# KiCad board Oro Link rev2.kicad_pcb (continued)
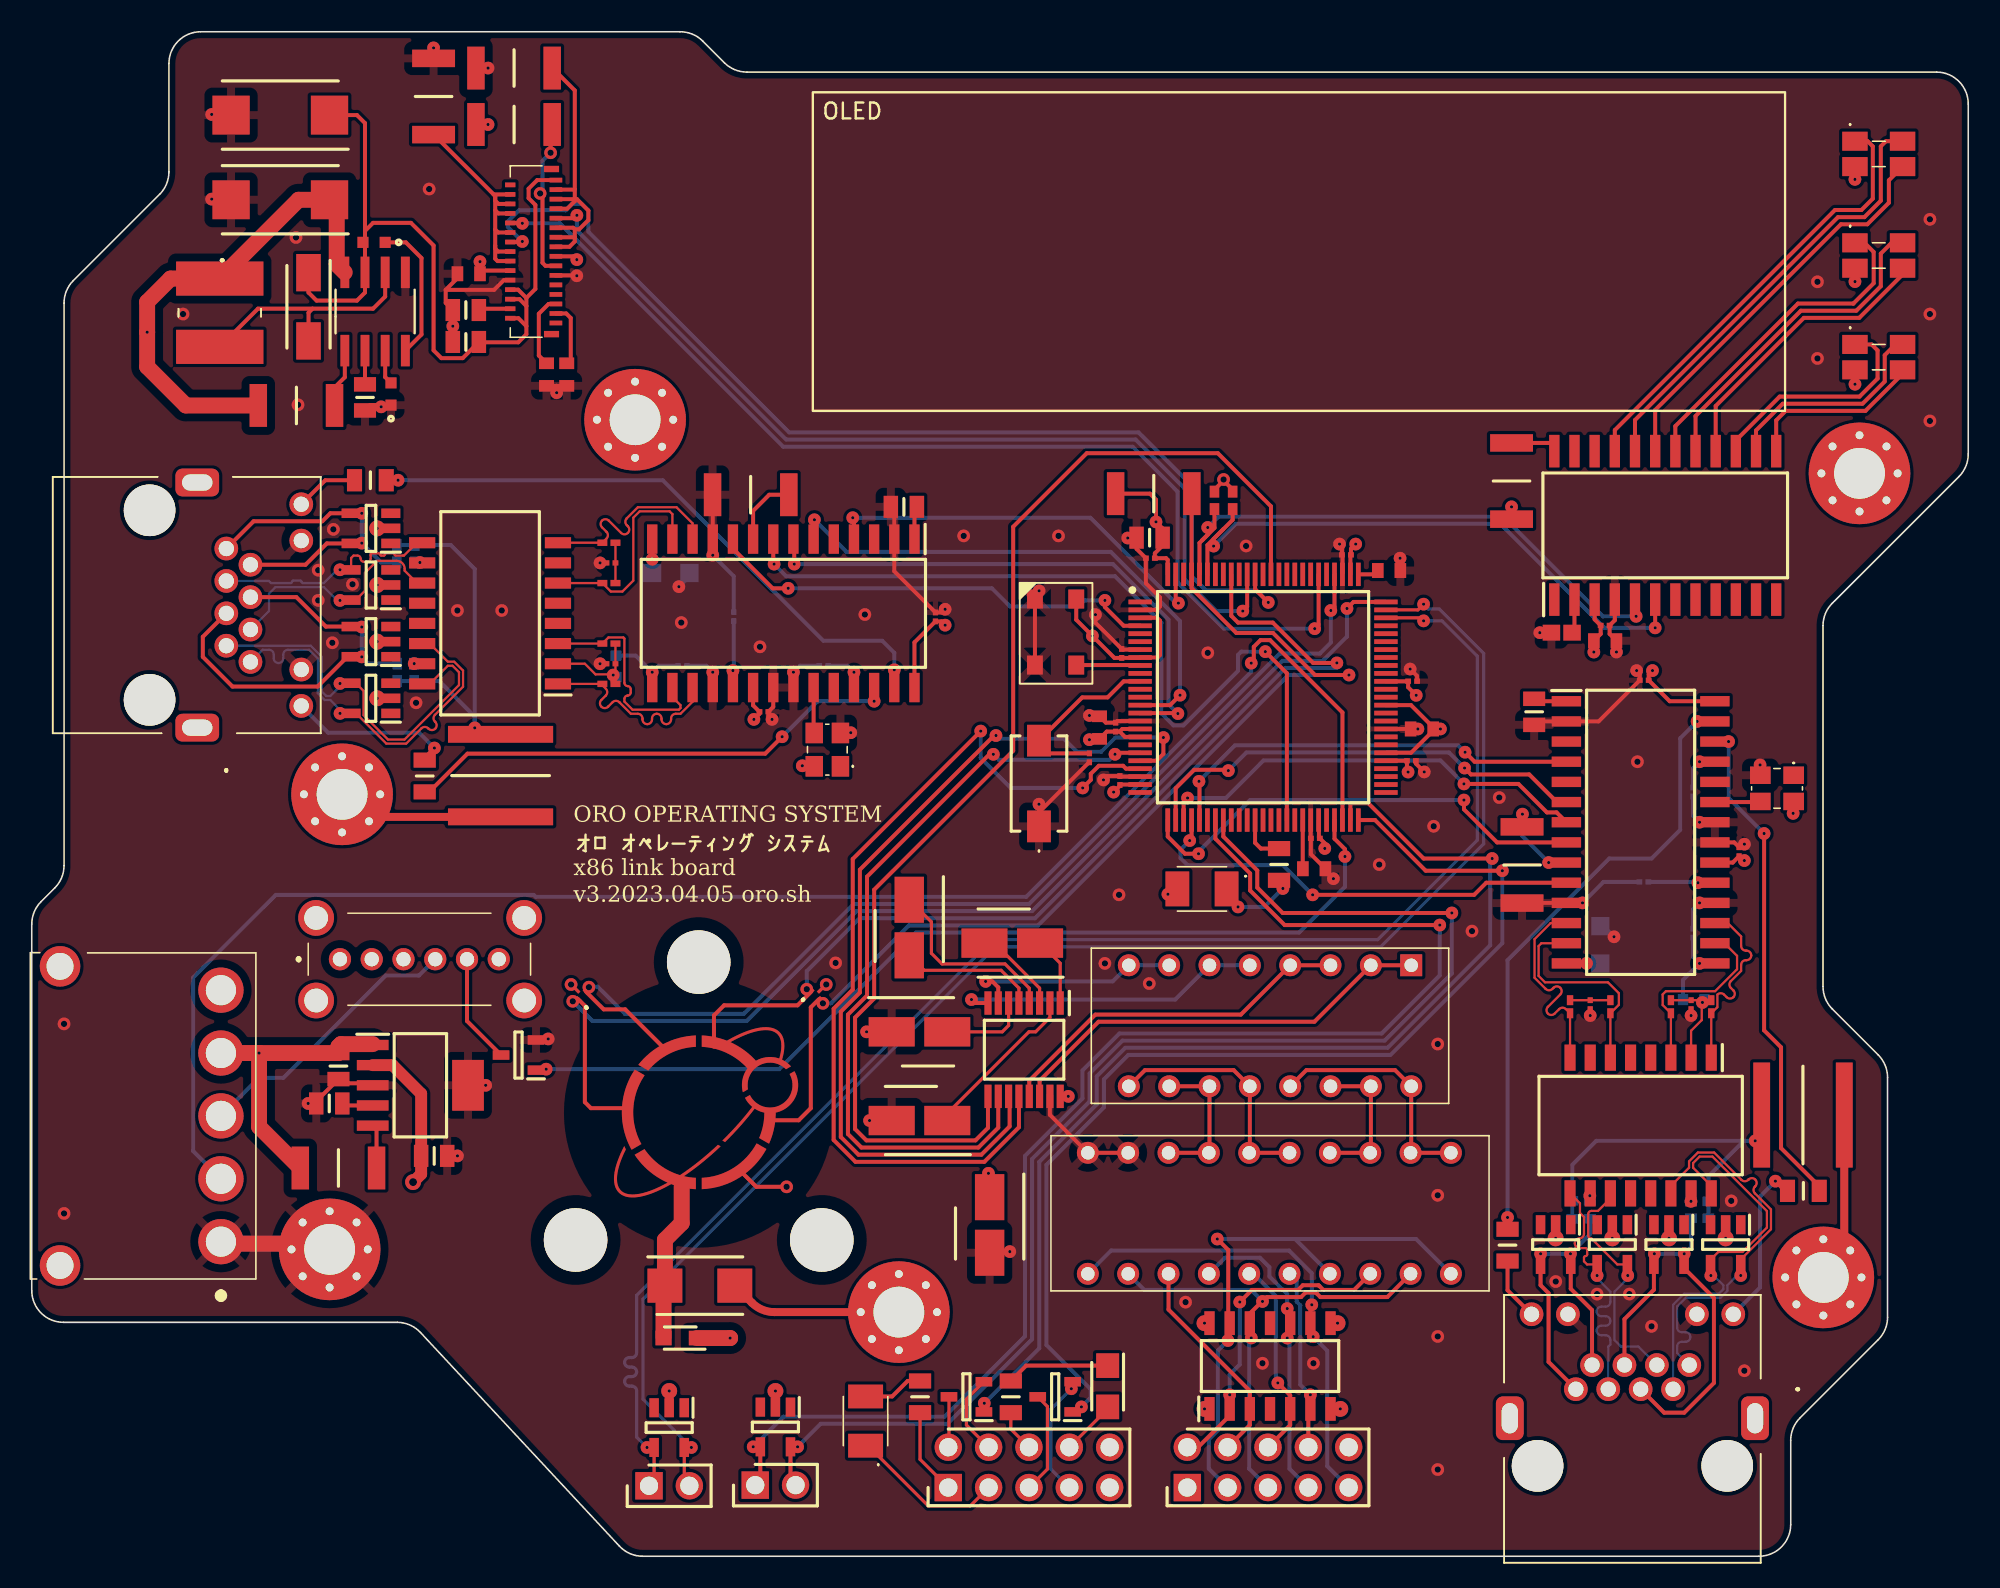
[diagram p0: board, top side]
## Routing (per net, layer and track width the routed paths; a pad name or vN(x,y) marks a point on that pad's centre or on a via; arc(x,y) is an arc through that point) (continued)
GNDPWR: length 275.6
  Top w0.5: D15.2 v4(40.13,10.41) ; D9.2 v4(21.75,64.74) ; C40.1 20.96,46.57 ; D12.2 45.34,15.96 arc(45.99,15.53) 46.76,15.38 H5.1 ; 46.76,10.41 46.82,10.35 D14.2 ; D7.2 v4(21.75,61.17) ; D5.2 v4(95.94,20.02) ; D16.8 v4(82.21,14.68) ; D16.14 v4(73.84,14.68) ; D2.2 v4(106.65,20.02) ; C31.1 114.12,19.23 ; D3.2 v4(99.51,20.02) ; D16.7 82.41,9.28 ; D4.2 v4(103.08,20.02) ; D8.2 v4(21.75,57.6)
  In1.Cu w0.5: v4(82.21,14.68) v4(73.84,14.68) 72.25,14.68 arc(71.49,14.53) 70.84,14.09 69.31,12.56 arc(68.66,12.13) 67.89,11.98 ; J4.MH1 J4.MH2 111.23,11.42 arc(111.66,12.07) 111.81,12.83 111.81,15.24 107.03,20.02 v4(106.65,20.02) v4(95.94,20.02) ; v2(33.95,36.01) 33.51,36.01 arc(33.13,36.08) 32.8,36.3 31,38.1 ; H5.1 57.4,12.56 arc(58.05,12.13) 58.82,11.98 67.89,11.98 ; H5.1 50.21,10.99 arc(49.56,10.56) 48.8,10.41 v4(46.82,10.41) v4(40.13,10.41) ; H5.1 54.59,19.26 arc(54.44,20.02) 54.01,20.67 51.89,22.78 arc(51.46,23.43) 51.31,24.2 51.31,35.56 51.15,35.72 arc(50.83,35.93) 50.44,36.01 v2(50.02,36.01) ; v4(21.75,64.74) 21.75,54.89 arc(21.52,53.74) 20.87,52.77 16.97,48.87 14.56,48.87 arc(13.8,49.02) 13.15,49.46 J5.MH2 J5.MH1 ; S2.MH1 17.9,46.35 ; S2.MH1 S2.MH3 ; S2.MH1 S2.MH2 31,38.1 ; S2.MH1 6.07,40.2 arc(4.92,39.97) 3.95,39.32 J1.MH2 3.44,35.49 arc(4.09,34.52) 4.32,33.37 4.32,22.09 arc(4.09,20.94) 3.44,19.97 J1.MH1 ; 31,38.1 S2.MH4 ; 67.89,11.98 arc(68.66,11.83) 69.31,11.39 70.84,9.86 arc(71.49,9.43) 72.25,9.28 v4(82.39,9.28)
  vias: v4(21.75,54.03) v4(73.84,9.28)
/COM Bus Header/C1+: length 4.3
  Top w0.2: IC6.1 64.75,37.35 C46.1
/COM Bus Header/C1-: length 5
  Top w0.2: IC6.3 63.45,35.78 60.61,38.62
/COM Bus Header/C2+: length 12
  Top w0.2: IC6.4 62.8,35.78 61.28,37.3 57.31,37.3 56.64,37.97 56.64,39.95 C47.1
/COM Bus Header/C2-: length 8.7
  Top w0.2: IC6.5 62.15,35.78 61.03,36.9 56.19,36.9 C47.2
/COM Bus Header/D_CTS: length 15.6
  Top w0.25: 76.69,25.45 S3.12 75.67,30.61 70.09,30.61 S3.9 ; S4.C3 79.61,25.41
/COM Bus Header/D_RTS: length 9.2
  Top w0.25: S3.10 S3.11 74.15,25.45 ; S4.D3 S4.D2
/COM Bus Header/D_RX: length 9.2
  Top w0.25: S4.B3 S4.B2 ; S3.14 S3.15 84.31,25.45
/COM Bus Header/D_TX: length 15.2
  Top w0.25: S3.13 80.25,30.61 85.83,30.61 S3.16 86.85,25.45 ; S4.A3 S4.A2
/COM Bus Header/P2: length 19
  Top w0.25: S4.B1 83.25,16.77 81.31,16.77 81.08,17.01 81.07,17.01 81.01,17.07 80.02,17.07 79.73,16.77 76.82,16.77 v1(76.06,16.01) ; 73.43,6.87 75.42,8.85 ; D16.2 v1(75.42,10.17)
  Bottom w0.25: v1(76.06,16.01) 76.06,12.07 75.42,11.44 v1(75.42,10.17)
/COM Bus Header/P3: length 35.6
  Top w0.25: v1(74.64,19.98) 75.33,19.29 75.33,14.77 ; D16.13 75.42,13.7 v1(75.31,13.59)
  Bottom w0.25: S4.B4 79.54,19.98 ; 79.54,19.98 v1(74.64,19.98) ; 79.54,19.98 87.16,19.98 S4.A1 ; v1(75.31,13.59) 74.68,12.95 74.68,7.93 74.11,7.36 74.11,5.51 J9.3
/COM Bus Header/P4: length 13.6
  Top w0.25: S4.D4 71.57,15.53 76.69,10.41 D16.3 76.69,8.26 J9.4
/COM Bus Header/P5: length 31.5
  Top w0.25: S4.A4 85.35,16.32 81.13,16.32 80.89,16.56 80.88,16.56 80.84,16.61 80.2,16.61 79.92,16.32 77.76,16.32 v1(77.49,16.05) 77.45,16.05 76.69,15.29 ; v1(76.78,13.75) 76.69,13.84 D16.12
  Bottom w0.25: v1(76.78,13.75) 76.65,13.61 76.65,5.51 J9.5 ; v1(77.49,16.05) 76.76,16.77 70.05,16.77 S4.E1
/COM Bus Header/P6: length 12.5
  Top w0.25: v1(78.45,10.92) 79.23,10.14 D16.5 79.23,8.26 J9.6
  Bottom w0.25: v1(78.45,10.92) 78.32,11.05 78.32,16.39 76.92,17.79
/COM Bus Header/P7: length 19.5
  Top w0.25: v1(79.04,15.6) 79.23,15.41 D16.10 79.23,13.93 v1(79.04,13.74)
  Bottom w0.25: v1(79.04,15.6) 79.04,16.5 77.92,17.62 77.92,18.21 77.33,18.8 75.13,18.8 S4.D1 ; J9.7 79.19,5.51 79.19,13.6 v1(79.04,13.74)
/COM Bus Header/P8: length 11.3
  Top w0.25: J9.8 80.37,9.15 ; D16.6 v1(80.5,10.17)
  Bottom w0.25: S4.C1 79.64,17.34 79.64,16.03 79.87,15.8 79.87,10.8 v1(80.5,10.17)
/COM Bus Header/P9: length 29.8
  Top w0.25: v1(80.59,15.84) 80.5,15.75 D16.9 80.5,14.01 v1(80.68,13.83)
  Bottom w0.25: J9.9 81.56,5.68 81.56,12.95 v1(80.68,13.83) ; S4.E4 67.96,19.25 79.16,19.25 80.59,17.83 v1(80.59,15.84)
/COM Bus Header/UART_CTS: length 76.9
  Top w0.25: IC6.9 60.2,26.98 59.42,26.19 52.55,26.19 51.84,26.9 51.84,33.93 53.04,35.13 53.04,41.98 61.79,50.73 61.79,64.84 66.42,69.47 74.68,69.47 78.02,66.12 IC1.87
/COM Bus Header/UART_RTS: length 49.7
  Top w0.25: v1(60.54,50.51) 60.29,50.51 52.59,42.8 52.59,35.31 51.39,34.11 51.39,26.59 52.24,25.74 59.6,25.74 60.85,26.99 IC6.10 ; v1(68.2,50.51) 68.29,50.6 IC1.20
  Bottom w0.25: v1(60.54,50.51) 60.88,50.17 67.86,50.17 v1(68.2,50.51)
/COM Bus Header/UART_RX: length 58.1
  Top w0.25: IC6.12 62.15,27.02 59.97,24.84 51.87,24.84 50.49,26.22 50.49,34.48 51.69,35.69 51.69,43.91 v1(59.75,51.97) ; IC1.22 68.89,49.6 68.71,49.78 67.18,49.78 66.67,49.28 66.67,48.9 v1(66.17,48.39)
  Bottom w0.25: v1(66.17,48.39) 61.63,48.39 59.75,50.28 v1(59.75,51.97)
/COM Bus Header/UART_TX: length 57.1
  Top w0.25: 61.57,28.9 61.57,27.07 59.79,25.29 52.05,25.29 50.94,26.41 50.94,34.3 52.14,35.5 52.14,43.24 60.59,51.69 v1(60.71,51.69) ; IC1.21 70.82,50.1 71.25,50.53 v1(71.25,51.56)
  Bottom w0.25: v1(60.71,51.69) 60.91,51.49 64.97,51.49 65.79,50.67 67.34,50.67 68.23,51.56 v1(71.25,51.56)
/COM Bus Header/V+: length 9.9
  Top w0.2: 57.64,27.89 62.78,33.03 63.2,33.03 64.1,33.93 IC6.2
/COM Bus Header/V-: length 5.4
  Top w0.2: C50.2 61.1,33.03 61.5,33.43 IC6.6
/External Ethernet/CT_45: length 26.8
  Top w0.25: D8.5 20.77,56.65 v1(20.78,56.64) ; J5.5 10.77,57.91 10.77,56.64 12.64,54.77 17.99,54.77 19.86,56.64 ; v1(20.78,58.52) 20.75,58.55 D8.4 18.51,58.55 16.66,60.4 J5.4
  Bottom w0.25: R32.1 21.2,56.22 v1(20.78,56.64) v1(20.78,58.52)
/External Ethernet/CT_78: length 21.6
  Top w0.25: v1(20.78,65.68) 20.77,65.69 D9.4 18.8,65.69 18.29,65.18 13.97,65.18 J5.7 ; J5.8 17.23,62.44 18.57,63.79 D9.5 20.76,63.79 v1(20.78,63.8)
  Bottom w0.25: R33.1 22,62.59 v1(20.78,63.8) v1(20.78,65.68)
/External Ethernet/GLED+: length 38.7
  Top w0.25: v1(54.31,55.83) IC5.27 ; R34.2 v1(23.06,67.77)
  Bottom w0.25: v1(23.06,67.77) 39.73,67.77 49.83,57.66 53.54,57.66 54.31,56.9 v1(54.31,55.83)
/External Ethernet/RX+: length 14.7
  Top w0.141: D7.5 19.43,60.22 v1(19.41,60.2) ; 20.39,60.22 20.98,60.8 20.98,61.93 21.74,62.69 22.98,62.69 arc(23.33,62.54) 23.48,62.19 23.48,62.07 24.26,61.29
  Bottom w0.141: v1(19.41,60.2) 19.23,60.2 18.39,61.04 15.34,61.04 14.94,60.63 14.94,59.53 J5.3
/External Ethernet/RX-: length 14.6
  Top w0.141: v1(19.41,62.13) 19.41,62.12 D7.4 20.11,62.87 20.26,63.02 20.51,63.02 arc(20.65,62.96) 20.71,62.83 arc(20.76,62.69) 20.9,62.63 21.14,62.63 arc(21.28,62.69) 21.34,62.83 21.34,63.09 arc(21.36,63.14) 21.41,63.16 21.87,63.16 arc(21.92,63.14) 21.94,63.09 arc(21.96,63.04) 22.01,63.02 22.16,63.02 arc(22.22,63.04) 22.24,63.1 arc(22.26,63.15) 22.31,63.17 22.76,63.17 arc(22.82,63.15) 22.84,63.1 arc(22.86,63.04) 22.91,63.02 23.43,63.02 24.24,63.83
  Bottom w0.141: J5.6 14.93,61.42 15.06,61.29 16.31,61.29 arc(16.36,61.31) 16.38,61.37 arc(16.41,61.42) 16.46,61.45 16.91,61.45 arc(16.96,61.42) 16.98,61.37 arc(17.01,61.31) 17.06,61.29 18.39,61.29 19.23,62.13 v1(19.41,62.13)
/External Ethernet/SCK: length 53.8
  Top w0.25: IC1.41 79.02,55.62 v1(77.66,56.97) ; v1(46.74,62.48) 46.69,62.53 IC5.8
  Bottom w0.25: v1(46.74,62.48) 47.5,61.72 68.2,61.72 71.12,58.8 71.12,53.09 71.88,52.32 72.51,52.32 75.95,55.76 75.95,56.77 76.15,56.97 v1(77.66,56.97)
/External Ethernet/SDI: length 35.1
  Top w0.25: v1(72.16,53.07) 72.13,53.1 IC1.15 ; v1(48.01,62.48) 48.01,64.01
  Bottom w0.25: v1(72.16,53.07) 71.57,53.66 71.57,58.99 68.07,62.48 v1(48.01,62.48)
/External Ethernet/SDO: length 34.3
  Top w0.25: v1(49.28,65.28) 49.28,64.11 ; IC1.14 71.67,53.6 72.29,54.23 v1(72.29,54.23)
  Bottom w0.25: v1(72.29,54.23) 72.29,58.9 67.94,63.26 51.3,63.26 v1(49.28,65.28)
/External Ethernet/TPIN+: length 13.5
  Top w0.141: IC5.13 40.34,65.63 40.16,65.81 38.28,65.81 37.87,65.41 37.87,61.44 37.19,60.76 36.46,60.76 R28.1 T2.6
/External Ethernet/TPIN-: length 13.4
  Top w0.141: T2.8 R29.1 36.19,64.09 arc(36.27,64.31) 36.19,64.52 35.9,64.8 arc(35.82,65.01) 35.9,65.22 arc(36.12,65.31) 36.33,65.22 37.11,64.45 arc(37.32,64.36) 37.53,64.45 arc(37.62,64.66) 37.53,64.87 37.46,64.94 arc(37.37,65.15) 37.46,65.37 38.16,66.07 40.59,66.07 41.61,65.05 IC5.12
/External Ethernet/TPOUT+: length 13.5
  Top w0.141: R26.1 T2.1 ; IC5.17 41.61,53.82 40.85,53.06 40.55,53.06 arc(40.34,52.97) 40.25,52.76 40.25,52.71 arc(40.16,52.49) 39.95,52.41 arc(39.74,52.49) 39.65,52.71 39.65,52.76 arc(39.56,52.97) 39.35,53.06 arc(39.14,52.97) 39.05,52.76 39.05,52.71 arc(38.96,52.49) 38.75,52.41 arc(38.54,52.49) 38.45,52.71 38.45,52.76 arc(38.36,52.97) 38.15,53.06 37.72,53.06 36.99,53.79 arc(36.78,53.87) 36.57,53.79 36.29,53.5 arc(36.07,53.42) 35.86,53.5 arc(35.77,53.72) 35.86,53.93 36.14,54.21 arc(36.23,54.42) 36.14,54.64 35.92,54.86
/External Ethernet/TPOUT-: length 13.5
  Top w0.141: T2.3 R27.1 36.31,57.86 37.24,57.86 37.31,57.8 37.31,55 arc(37.37,54.86) 37.51,54.8 arc(37.65,54.75) 37.71,54.6 37.71,54.4 arc(37.65,54.26) 37.51,54.2 arc(37.37,54.15) 37.31,54 37.31,53.83 37.82,53.32 40.74,53.32 40.84,53.42 40.84,53.6 40.34,54.11
/External Ethernet/TX+: length 24.5
  Top w0.141: 25.05,54.94 26.2,56.08 26.49,56.08 26.9,55.67 26.9,54.87 23.47,51.44 22.43,51.44 20.89,52.97 20.89,54.5 20.4,54.98 ; v1(19.41,54.97) 19.42,54.98 D6.4
  Bottom w0.141: v1(19.41,54.97) 19.41,54.79 18.8,54.18 18.54,54.18 18.26,54.46 18.26,56.64 17.56,57.34 J5.1
/External Ethernet/TX-: length 24.5
  Top w0.141: D6.5 v1(19.41,53.08) ; 20.42,53.08 22.32,51.18 23.57,51.18 24.53,52.14 arc(24.75,52.23) 24.96,52.14 24.98,52.12 arc(25.19,52.03) 25.4,52.12 arc(25.49,52.33) 25.4,52.54 25.38,52.57 arc(25.3,52.78) 25.38,52.99 27.15,54.76 27.15,55.78 26.6,56.34 26.2,56.34 25.05,57.48
  Bottom w0.141: v1(19.41,53.08) 19.41,53.31 18.8,53.92 18.44,53.92 18.01,54.35 18.01,56.54 17.46,57.09 16.14,57.09 arc(15.92,57) 15.84,56.79 15.84,56.55 arc(15.75,56.34) 15.54,56.25 arc(15.32,56.34) 15.24,56.55 15.24,56.79 arc(15.15,57) 14.94,57.09 14.53,57.09 J5.2
/External Ethernet/YLED+: length 30.4
  Top w0.25: 25.03,48.14 27.43,50.55 46.18,50.55 v1(47.24,51.61)
  Bottom w0.25: v1(53.04,53.85) 49.48,53.85 v1(47.24,51.61)
/External Ethernet/~{INT}: length 26
  Top w0.25: v1(51.69,65.41) 51.77,65.33 51.77,64.06 ; v1(72.19,60.03) 72.02,60.2 IC1.99
  Bottom w0.25: v1(51.69,65.41) 66.65,65.41 72.03,60.03 v1(72.19,60.03)
/External Ethernet/~{RST}: length 28.2
  Top w0.25: 44.15,63.46 46.65,60.96 v1(47.62,60.96) ; v1(67.56,60.2) 67.56,59.78 68.75,58.6 IC1.4
  Bottom w0.25: v1(47.62,60.96) 60.45,60.96 61.59,59.82 65.91,59.82 66.29,60.2 v1(67.56,60.2)
/Front Panel Client/HDD+: length 2.6
  Top w0.2: R7.1 61.64,8.01 J2.6
/Front Panel Client/HDD-: length 3.4
  Top w0.2: 67.74,9.28 J2.8
/Front Panel Client/PLED+: length 5.5
  Top w0.2: J2.1 55.93,6.1 R6.2
/Front Panel Client/PLED-: length 9.6
  Top w0.2: 52.65,6.96 56.45,3.16 59.08,3.16 J2.3
/Front Panel Client/PWR+: length 6.4
  Top w0.2: Q2.3 63.95,9.43 63.95,5.49 J2.5
/Front Panel Client/PWR-: length 7.6
  Top w0.2: 65.45,10.91 v1(65.45,10.55)
  Bottom w0.2: v1(65.45,10.55) 64.16,9.26 64.16,5.49 J2.7
/Front Panel Client/PWR_ON: length 67.6
  Top w0.25: v1(92.59,43.17) 87.76,43.17 84.57,46.36 IC1.50 ; 65.77,9.09 v1(66.09,9.41)
  Bottom w0.25: v1(66.09,9.41) 66.67,10 66.67,10.51 63.88,13.3 63.88,24.65 67.5,28.27 67.5,30.04 69.04,31.57 85.55,31.57 92.59,38.61 v1(92.59,43.17)
/Front Panel Client/RESET: length 69.2
  Top w0.25: v1(91.95,43.94) 87.63,43.94 84.15,47.43 83.05,47.43 83.02,47.4 IC1.49 ; v1(59.97,9.64) 59.95,9.61 Q3.1
  Bottom w0.25: v1(59.97,9.64) 63.43,13.09 63.43,24.84 67.05,28.46 67.05,30.22 68.85,32.02 85.36,32.02 91.82,38.48 91.82,43.82 v1(91.95,43.94)
/Front Panel Client/RST+: length 3.1
  Top w0.2: Q3.3 57.75,6.91
/Front Panel Client/RST-: length 5.2
  Top w0.2: Q3.2 58.85,9.89 58.85,8.26 J2.4
/Indicator Lights/O7: length 11.1
  Top w0.25: 117.79,74.47 115.45,72.14 110.43,72.14 109.83,71.54 IC7.13
/Indicator Lights/O8: length 13.3
  Top w0.25: 117.34,76.32 116.66,75.64 116.66,73.98 115.26,72.59 110.24,72.59 108.56,70.9 IC7.14
/Indicator Lights/O9: length 13.9
  Top w0.25: LED6.1 115.84,76.32 116.21,75.94 116.21,74.17 115.08,73.04 110.05,73.04 107.29,70.28
/Indicator Lights/O10: length 17.3
  Top w0.25: 106.02,70.3 106.02,72.44 111.57,77.99 115.06,77.99 117.79,80.72
/Indicator Lights/O11: length 20.3
  Top w0.25: 104.75,70.3 104.75,71.81 111.38,78.44 114.87,78.44 116.41,79.99 116.41,82.04 117.09,82.72 LED5.4
/Indicator Lights/O12: length 19.9
  Top w0.25: 115.39,82.72 115.97,82.14 115.97,80.17 114.69,78.89 114.69,78.89 111.2,78.89 103.48,71.17 103.48,70.3
/Indicator Lights/O13: length 25.3
  Top w0.25: LED4.3 116.92,86.66 116.92,85.24 115.57,83.89 113.9,83.89 102.21,72.19 IC7.19
/Indicator Lights/O14: length 28.1
  Top w0.25: IC7.20 100.94,71.56 113.72,84.34 115.38,84.34 116.41,85.37 116.41,88.8 116.74,89.12 LED4.4
/Indicator Lights/O15: length 28.2
  Top w0.25: IC7.21 99.67,70.92 113.53,84.79 115.2,84.79 115.91,85.5 115.91,88.79 115.59,89.12 LED4.1
/Indicator Lights/SCL: length 39
  Top w0.25: v1(74.41,63.62) 74.41,64.07 75.02,64.68 ; R1.2 75.61,65.27 75.02,64.68 ; 75.02,64.68 74.02,63.68 IC1.95 ; IC7.6 v1(102.21,58.47)
  Bottom w0.25: v1(102.21,58.47) 99.01,58.47 92.46,65.02 75.81,65.02 v1(74.41,63.62)
/Indicator Lights/SDA: length 36.4
  Top w0.25: IC1.96 73.52,63.82 73.68,63.98 ; v1(101.01,59.2) 100.94,59.27 IC7.5 ; v1(74.04,64.79) 74.04,64.34 73.68,63.98 ; 73.68,63.98 74.46,64.76 R2.2
  Bottom w0.25: v1(101.01,59.2) 98.92,59.2 92.64,65.47 74.72,65.47 v1(74.04,64.79)
/Microcontroller/DBGUART_RX: length 87.1
  Top w0.25: 45.87,4.8 D14.4 v1(45.42,6.89) ; IC1.32 74.52,45.19 76.71,43 76.71,41.93 78.89,39.75 v1(88.65,39.75)
  Bottom w0.25: v1(45.42,6.89) 47.32,8.79 57.47,8.79 62.53,13.86 62.53,25.21 66.15,28.83 66.15,30.6 68.48,32.92 84.99,32.92 88.65,36.58 v1(88.65,39.75)
/Microcontroller/DBGUART_TX: length 85.6
  Top w0.25: v1(48.22,6.89) D14.5 47.77,4.8 ; v1(89.41,40.51) 78.76,40.51 77.16,42.11 77.16,43.19 75.02,45.33 IC1.33
  Bottom w0.25: v1(48.22,6.89) 49.67,8.34 57.66,8.34 62.98,13.67 62.98,25.02 66.6,28.65 66.6,30.41 68.67,32.47 85.18,32.47 89.41,36.7 v1(89.41,40.51)
/Microcontroller/SYSETH_MISO: length 28.3
  Top w0.25: 96.02,47.5 94.28,49.24 90.61,49.24 v1(90.21,49.64) ; v1(75.34,49.48) 75.29,49.53 73.19,49.53 72.02,48.36 IC1.27
  Bottom w0.25: v1(90.21,49.64) 89.23,50.62 76.48,50.62 v1(75.34,49.48)
/Microcontroller/SYSETH_SCK: length 29.5
  Top w0.25: IC1.26 71.52,45.33 72.6,44.24 v1(73.46,44.24) ; v1(90.17,47.63) 90.17,47.04 92.26,44.96 IC4.8
  Bottom w0.25: v1(73.46,44.24) 73.46,44.38 76.71,47.63 v1(90.17,47.63)
/Microcontroller/SYSTEH_MOSI: length 27.9
  Top w0.25: v1(90.17,48.64) 93.6,48.64 95.39,46.85 96,46.85 IC4.7 ; v1(72.77,47.75) 72.52,47.5 IC1.28
  Bottom w0.25: v1(72.77,47.75) 75.18,47.75 77.55,50.12 88.69,50.12 v1(90.17,48.64)
/Microcontroller/SYSTEH_~{INT}: length 27
  Top w0.25: IC1.30 73.52,48.77 v1(73.49,48.8) ; v1(90.24,50.64) 90.84,50.04 IC4.4
  Bottom w0.25: v1(90.24,50.64) 89.81,51.07 75.75,51.07 v1(73.49,48.8)
/Microcontroller/SYSTEH_~{RST}: length 28.3
  Top w0.25: v1(80.64,41.66) 90.81,41.66 91.58,42.42 IC4.10 ; v1(72.9,45.07) 73.02,45.19 IC1.29
  Bottom w0.25: v1(80.64,41.66) 78.78,43.52 72.77,43.52 72.33,43.96 72.33,44.5 v1(72.9,45.07)
/Microcontroller/USB_D+: length 97.5
  Top w0.2: IC1.74 87.27,59.6 v1(87.63,59.96) ; 41.08,4.76 D15.5 v1(41.53,6.85)
  Bottom w0.2: v1(41.53,6.85) 38.48,9.9 38.48,16.19 60.67,38.38 84.93,38.38 91.41,44.86 91.41,56.86 88.61,59.66 87.93,59.66 v1(87.63,59.96)
/Microcontroller/USB_D-: length 97.5
  Top w0.2: v1(38.73,6.85) D15.4 39.18,4.76 ; v1(87.63,58.91) 87.44,59.1 IC1.73
  Bottom w0.2: v1(87.63,58.91) 88.79,58.91 91.01,56.69 91.01,45.1 84.74,38.83 60.49,38.83 38.08,16.43 38.08,12.81 arc(37.99,12.6) 37.78,12.51 37.62,12.51 arc(37.41,12.43) 37.32,12.21 arc(37.41,12) 37.62,11.91 37.78,11.91 arc(37.99,11.83) 38.08,11.61 arc(37.99,11.4) 37.78,11.31 37.62,11.31 arc(37.41,11.23) 37.32,11.01 arc(37.41,10.8) 37.62,10.71 37.78,10.71 arc(37.99,10.63) 38.08,10.41 38.08,7.51 v1(38.73,6.85)
/Microcontroller/VCAP1: length 3.1
  Top w0.25: IC1.43 80.02,43.31
/Microcontroller/VCAP2: length 1
  Top w0.25: IC1.76 84.5,61.84
/OLED Socket/EXTCAP: length 4
  Top w0.25: C18.2 33.93,75.39 33.93,77.98 33.65,78.27 J3.3
/OLED Socket/EXTCAP2: length 1.9
  Top w0.25: J3.4 28.23,78.57
/OLED Socket/EXTCAP3: length 4.7
  Top w0.25: J3.5 32.54,78.87 31.92,78.25 31.92,75.62 C19.2
/OLED Socket/SCK: length 68.1
  Top w0.25: IC1.81 81.02,58.67 v1(80.77,58.42) ; v1(30.89,83.95) 30.68,83.95 30.65,83.97 J3.22
  Bottom w0.25: v1(30.89,83.95) 33.24,83.95 47.31,69.88 69.31,69.88 72.14,67.06 72.14,61.34 75.06,58.42 v1(80.77,58.42)
/OLED Socket/SDI: length 60
  Top w0.25: v1(34.32,84.45) 34.14,84.27 J3.23 ; IC1.90 76.52,59.8 v1(76.25,59.53)
  Bottom w0.25: v1(76.25,59.53) 74.59,59.53 72.59,61.53 72.59,67.24 69.5,70.33 47.5,70.33 34.32,83.51 v1(34.32,84.45)
/OLED Socket/~{RST}: length 67.4
  Top w0.25: IC1.89 77.02,60.9 v1(77.85,60.07) ; v1(30.89,82.8) 30.85,82.77 J3.18
  Bottom w0.25: v1(77.85,60.07) 77.09,60.83 73.91,60.83 73.04,61.71 73.04,67.43 69.68,70.78 47.68,70.78 35.04,83.42 35.04,84.75 34.62,85.18 34.02,85.18 33.61,84.77 30.67,84.77 29.97,84.07 29.97,83.72 v1(30.89,82.8)
/Power Supply/PSU_ON: length 17.6
  Bottom w0.25: S2.4 24.38,36.58 22.29,36.58 15.84,30.13 14.31,30.13 J1.3
/Power Supply/PW_OK: length 104.2
  Top w0.25: v1(76.78,56.25) 76.94,56.41 76.94,57.27 77.36,57.7 77.96,57.7 82.52,53.14 IC1.48
  Bottom w0.25: v1(76.78,56.25) 76.78,55.7 62.61,41.53 31.73,41.53 31.6,41.65 15.36,41.65 10.16,36.45 10.16,25.52 J1.2
/Power Supply/PW_ON: length 60.2
  Top w0.25: IC1.47 82.02,45.19 82.68,44.53 v1(82.68,44.07) ; v1(32.39,30.68) 32.33,30.61 Q1.1
  Bottom w0.25: v1(82.68,44.07) 82.68,42.16 79.79,39.28 55.66,39.28 47.06,30.68 v1(32.39,30.68)
/SWD Pad/FLASH: length 69.9
  Top w0.25: 73.02,66.9 IC1.97 73.02,60.96 75.84,58.15 78.15,58.15 80.8,55.5 v1(82.93,55.5) ; 46.32,27.46 48.29,27.46 49.05,28.22 49.05,34.57 D13.2
  Bottom w0.25: v2(49.81,34.82) 50.32,34.82 55.22,39.73 63.35,39.73 79.12,55.5 v1(82.93,55.5)
/SWD Pad/SWCLK: length 67.7
  Top w0.25: v1(81.79,59.56) 82.02,59.8 IC1.79 ; 39.65,32.16 37.36,34.44 36.01,34.44 D11.2
  Bottom w0.25: v1(81.79,59.56) 81.79,57.54 81.1,56.85 78.56,56.85 62.79,41.08 51.75,41.08 44.83,34.16 37.34,34.16 35.63,35.87 35.11,35.87 v2(35.08,35.84)
/SWD Pad/SWDIO: length 73
  Top w0.25: v1(82.8,59.69) 83.22,60.1 IC1.75 ; 37.33,28.22 35.2,28.22 34.82,28.6 34.82,34.67 D11.1
  Bottom w0.25: v2(34.06,34.95) 35.3,33.71 45.02,33.71 51.93,40.63 62.98,40.63 78.75,56.4 81.28,56.4 82.8,57.92 v1(82.8,59.69)
/SWD Pad/SWO: length 61.9
  Top w0.25: D13.1 48.21,34.7 43.59,34.7 42.95,34.06 42.95,32.09 ; v1(82.17,56.26) 80.67,56.26 78.13,58.8 75.95,58.8 75.52,59.23 IC1.92
  Bottom w0.25: v2(48.79,35.71) 48.79,36.86 52.12,40.18 63.17,40.18 78.93,55.95 82.17,55.95 v1(82.17,56.26)
/System Ethernet/CT_45: length 26.8
  Top w0.25: 104.04,18.14 105.91,16.27 105.91,10.91 104.04,9.04 102.78,9.04 J4.5 ; v1(104.04,19.05) 104.03,19.04 D4.5 ; J4.4 100.28,14.93 102.13,16.79 D4.4 102.13,19.02 v1(102.16,19.05)
  Bottom w0.25: R20.1 104.46,19.47 v1(104.04,19.05) v1(102.16,19.05)
/System Ethernet/CT_78: length 21.6
  Top w0.25: J4.8 98.24,15.51 96.89,16.85 D5.5 96.89,19.03 v1(96.88,19.05) ; J4.7 95.5,12.24 95.5,16.57 94.99,17.07 D5.4 94.99,19.05 v1(95,19.05)
  Bottom w0.25: v1(95,19.05) v1(96.88,19.05) 98.09,20.27 R21.1
/System Ethernet/GLED+: length 39.6
  Top w0.25: v1(104.85,52.58) IC4.27 ; R22.2 v1(92.91,21.34)
  Bottom w0.25: v1(104.85,52.58) 103.78,51.51 103.78,45.75 101.98,43.94 99.31,43.94 92.91,37.54 v1(92.91,21.34)
/System Ethernet/RX+: length 14.9
  Top w0.141: v1(100.48,17.68) 100.46,17.7 D3.5 99.83,18.38 98.2,20.01 98.19,20.01 arc(98.05,20.07) 97.99,20.21 97.99,21.55 arc(98.05,21.69) 98.19,21.75 98.61,21.75 99.39,22.53
  Bottom w0.141: J4.3 101.15,13.21 100.05,13.21 99.64,13.62 99.64,16.66 100.48,17.5 v1(100.48,17.68)
/System Ethernet/RX-: length 16.6
  Top w0.141: T1.9 97.47,22.23 97.47,21.62 97.73,21.37 97.73,20.31 arc(97.64,20.1) 97.44,20.02 arc(97.24,19.94) 97.15,19.73 97.15,19.69 arc(97.24,19.49) 97.44,19.41 97.83,19.41 arc(97.9,19.38) 97.93,19.31 97.93,19.01 arc(97.9,18.94) 97.83,18.91 arc(97.76,18.88) 97.73,18.81 97.73,18.57 97.92,18.38 D3.4
  Bottom w0.141: v1(98.55,17.68) 98.55,17.5 99.39,16.66 99.39,16.02 arc(99.3,15.81) 99.09,15.72 98.82,15.72 arc(98.61,15.63) 98.52,15.42 arc(98.61,15.21) 98.82,15.12 99.09,15.12 arc(99.3,15.03) 99.39,14.82 arc(99.3,14.61) 99.09,14.52 98.82,14.52 arc(98.61,14.43) 98.52,14.22 arc(98.61,14.01) 98.82,13.92 99.09,13.92 arc(99.3,13.83) 99.39,13.62 99.39,13.33 99.26,13.2 J4.6
/System Ethernet/TPIN+: length 13.5
  Top w0.141: T1.6 R16.1 99.92,34.73 99.92,35.46 99.24,36.14 95.27,36.14 94.87,36.55 94.87,38.43 95.05,38.61 IC4.13
/System Ethernet/TPIN-: length 13.4
  Top w0.141: IC4.12 95.63,39.88 94.61,38.86 94.61,36.43 95.31,35.73 arc(95.53,35.64) 95.74,35.73 95.81,35.8 arc(96.02,35.89) 96.23,35.8 arc(96.32,35.59) 96.23,35.38 95.46,34.6 arc(95.37,34.39) 95.46,34.18 arc(95.67,34.09) 95.88,34.18 96.16,34.46 arc(96.38,34.55) 96.59,34.46 R17.1 T1.8
/System Ethernet/TPOUT+: length 11.5
  Top w0.141: T1.1 R14.1 106.12,34.58 106.12,35.37 arc(106.34,35.46) 106.55,35.37 106.71,35.21 arc(106.92,35.12) 107.13,35.21 arc(107.22,35.42) 107.13,35.64 106.97,35.8 arc(106.89,36.01) 106.97,36.22 107.62,36.87 107.62,37.24 arc(107.71,37.45) 107.92,37.54 107.96,37.54 arc(108.17,37.63) 108.26,37.84 arc(108.17,38.05) 107.96,38.14 107.92,38.14 arc(107.71,38.23) 107.62,38.44 107.62,39.03 106.78,39.88
/System Ethernet/TPOUT-: length 11.5
  Top w0.141: T1.3 R15.1 102.68,34.72 102.68,35.38 102.88,35.59 105.98,35.59 107.37,36.97 107.37,37.81 106.57,38.61
/System Ethernet/TX+: length 24.5
  Top w0.141: 105.74,23.33 104.6,24.47 104.6,24.76 105.01,25.17 105.81,25.17 109.24,21.74 109.24,20.7 107.71,19.16 106.18,19.16 105.7,18.68 ; v1(105.71,17.68) 105.7,17.7 D2.4
  Bottom w0.141: v1(105.71,17.68) 105.89,17.68 106.5,17.07 106.5,16.82 106.22,16.54 104.04,16.54 103.34,15.84 J4.1
/System Ethernet/TX-: length 24.5
  Top w0.141: 107.6,18.69 109.5,20.59 109.5,21.85 108.49,22.86 arc(108.4,23.07) 108.49,23.28 108.51,23.3 arc(108.6,23.51) 108.51,23.73 arc(108.3,23.81) 108.09,23.73 108.07,23.7 arc(107.85,23.62) 107.64,23.7 105.92,25.43 104.9,25.43 104.34,24.87 104.34,24.47 103.2,23.33 ; D2.5 v1(107.6,17.68)
  Bottom w0.141: v1(107.6,17.68) 107.37,17.68 106.76,17.07 106.76,16.71 106.33,16.28 104.14,16.28 103.59,15.73 103.59,14.41 arc(103.68,14.2) 103.89,14.11 104.13,14.11 arc(104.34,14.02) 104.43,13.81 arc(104.34,13.6) 104.13,13.51 103.89,13.51 arc(103.68,13.42) 103.59,13.21 103.59,12.81 J4.2
/System Ethernet/YLED+: length 30.4
  Top w0.25: v1(109.07,45.52) 109.07,33.12 110.13,32.05 110.13,25.7 112.54,23.3
  Bottom w0.25: v1(106.83,51.31) 106.83,47.75 v1(109.07,45.52)
Net-(C29-Pad1): length 2.5
  Top w0.141: R16.2 R17.2
Net-(C31-Pad2): length 22.1
  Bottom w0.25: R21.2 R18.2 96.99,24.66 98.5,26.16 v1(108.51,26.16) 107.8,26.16 105.56,23.93 R19.2 R20.2
Net-(C38-Pad1): length 2.5
  Top w0.141: R28.2 R29.2
Net-(C40-Pad2): length 22.1
  Bottom w0.25: R33.2 R30.2 26.38,63.69 27.89,62.18 v1(27.89,52.17) 27.89,52.88 25.65,55.12 R31.2 R32.2
Net-(IC1-NRST): length 11.2
  Top w0.25: C1.1 63.32,50.57 ; S1.2 66.14,54.09 67.73,54.09 68.75,55.1 IC1.11
Net-(IC1-PE12): length 3.1
  Top w0.25: R4.1 77.38,44.57 77.02,44.93 IC1.37
Net-(IC1-PH0): length 4
  Top w0.25: X1.4 69.76,56.13
Net-(IC2-EN): length 2.8
  Top w0.25: IC2.5 21.71,26.88 R5.2
Net-(IC2-NR/FB): length 1.8
  Top w0.25: IC2.4 19.68,28.39
Net-(IC3-COMP): length 8.9
  Top w0.25: IC3.4 24.54,76.95 24.54,81.76 23.55,82.75 C25.1
Net-(IC3-EN): length 2.6
  Top w0.25: IC3.1 19.71,74.25 19.06,73.61
Net-(IC3-OUT): length 15.4
  Top w0.25: 17.68,78.57 14.24,78.57 FB1.2 ; 17.68,78.57 21.49,78.57 22.25,79.33 IC3.6 ; 17.68,78.57 17.42,78.32 D1.2
Net-(IC3-REF): length 2.1
  Top w0.25: IC3.2 C23.2
Net-(IC3-SS): length 2.2
  Top w0.25: C24.2 22.25,74.26 IC3.3
Net-(IC4-OSC1): length 2.7
  Top w0.25: 108.71,47.5 IC4.23
Net-(IC4-RBIAS): length 2.1
  Top w0.25: IC4.14 v1(97.89,37.34)
  Bottom w0.25: v1(97.89,37.34) 98.75,37.34
Net-(IC4-VCAP): length 1.9
  Top w0.25: IC4.1 94.74,53.85
Net-(IC4-~{CS}): length 5.6
  Top w0.25: v1(93.85,46.74) 93.85,45.96 ; IC4.9 v1(95.5,43.69)
  Bottom w0.25: v1(93.85,46.74) 93.85,45.34 v1(95.5,43.69)
Net-(IC5-OSC1): length 2.7
  Top w0.25: 49.23,51.97 IC5.23
Net-(IC5-RBIAS): length 2.1
  Top w0.25: IC5.14 v1(39.07,62.79)
  Bottom w0.25: v1(39.07,62.79) 39.07,61.93
Net-(IC5-VCAP): length 1.9
  Top w0.25: IC5.1 55.58,65.94
Net-(IC5-~{CS}): length 4.4
  Top w0.25: R24.2 46.43,66.85 45.42,65.84 IC5.9
Net-(IC6-DOUT1): length 27.4
  Top w0.25: IC6.14 63.45,29.95 67.16,33.66 80.75,33.66 S3.2 S3.1
Net-(IC6-DOUT2): length 13.9
  Top w0.25: v1(60.05,36.2) 60.48,36.2 60.85,35.83 IC6.7
  Bottom w0.25: v1(60.05,36.2) 68.05,36.2 S3.8 S3.7
Net-(IC6-RIN1): length 23
  Top w0.25: IC6.13 62.8,29.95 66.96,34.11 76.12,34.11 S3.4 S3.3
Net-(IC6-RIN2): length 19.5
  Top w0.25: v1(59.16,35.06) 59.38,34.84 IC6.8
  Bottom w0.25: S3.5 S3.6 71.99,35.06 v1(59.16,35.06)
Net-(IC7-R_EXT): length 1.9
  Top w0.25: 97.13,58.32 IC7.2
Net-(IC7-~{SDB}): length 2.7
  Top w0.25: R37.2 95.87,70.12
Net-(J3-Pad13): length 9.9
  Top w0.25: v2(32.66,88.39) 32.66,90.06 ; J3.13 32.35,81.27 32.16,81.46 32.16,85.68 v2(32.01,85.83)
  Bottom w0.25: v2(32.66,88.39) 32.16,87.88 32.16,85.98 v2(32.01,85.83)
Net-(J3-Pad14): length 16.1
  Top w0.25: 25.3,89.55 29.08,85.77 ; 29.08,85.77 J3.28 ; 29.08,85.77 29.18,85.67 ; 29.18,82.54 29.18,81.72 29.33,81.57 J3.14 ; 29.18,82.54 29.18,82.35 29.36,82.17 J3.16 ; 29.18,82.54 29.18,83.55 ; 29.18,84.77 29.38,84.57 J3.24 ; 29.18,84.77 29.18,85.67 ; 29.18,84.77 29.18,83.55 ; 29.18,85.67 29.18,85.37 29.38,85.17 J3.26 ; 29.18,83.55 29.36,83.37 J3.20
Net-(J3-Pad17): length 20.1
  Top w0.25: 34.19,83.57 34.09,83.67 J3.21 ; 34.19,83.57 34.46,83.57 35.04,84.15 35.04,84.75 34.33,85.47 J3.27 ; 34.19,83.57 34.19,83.06 ; J3.29 34.15,86.07 34.19,86.11 ; 32.78,93.73 34.19,92.32 34.19,86.11 ; J3.19 34.18,83.07 34.19,83.06 ; 34.19,86.11 34.19,85.34 33.71,84.87 J3.25 ; 34.19,83.06 34.19,82.8 33.85,82.47 J3.17
Net-(J4-ANODE_GREEN/CATHODE_YELLOW_1): length 4
  Top w0.25: R22.1 92.91,16.75 J4.9
Net-(J4-ANODE_YELLOW/CATHODE_GREEN_2): length 10.3
  Top w0.25: 110.39,23.01 v1(109.78,23.62)
  Bottom w0.25: J4.12 108.81,16.93 108.81,22.66 v1(109.78,23.62)
Net-(J5-ANODE_GREEN/CATHODE_YELLOW_1): length 4
  Top w0.25: J5.9 18.48,67.77 R34.1
Net-(J5-ANODE_YELLOW/CATHODE_GREEN_2): length 10.3
  Top w0.25: 24.74,50.29 v1(25.35,50.9)
  Bottom w0.25: v1(25.35,50.9) 24.38,51.87 18.66,51.87 J5.12
Net-(LED1-Pad1): length 3.7
  Top w0.25: 78.53,42.3 v1(78.77,42.06)
  Bottom w0.25: v1(78.77,42.06) 77.61,40.89 v1(75.95,40.89)
Net-(LED2-Pad2): length 3.8
  Top w0.25: LED2.2 54.17,10.06 55.15,11.04 R6.1
Net-(LED3-Pad1): length 6.5
  Top w0.25: R7.2 62.61,12.01 LED3.1
Net-(Q1-Pad3): length 6.9
  Top w0.25: S2.5 27.4,33.71 Q1.3
Net-(T1-CT_1): length 7.1
  Top w0.141: 104.95,35.02 R15.2 ; 104.95,35.02 R14.2 105.33,35.02 v1(105.18,34.88) ; 104.95,35.02 105.14,34.83 105.14,33.77 104.47,33.1 T1.2
Net-(T1-CT_3): length 0.3
  Bottom w0.25: R18.1 v1(98.09,22.71)
Net-(T1-CT_4):
  vias: v1(104.46,22.35)
Net-(T2-CT_1): length 7.1
  Top w0.141: 36.75,55.73 R26.2 36.75,55.36 v1(36.61,55.5) ; 36.75,55.73 36.56,55.54 35.49,55.54 34.82,56.21 T2.2 ; 36.75,55.73 R27.2
Net-(T2-CT_3): length 0.3
  Bottom w0.25: R30.1 v1(24.43,62.59)
Net-(T2-CT_4):
  vias: v1(24.08,56.22)

## Copper pours and planes (outline as drawn; the poured copper is in the pictures)
+3V3 on In2.Cu: -0.89,96.27 -0.89,12.7 24.26,12.7 37.08,-1.02 122.43,-1.02 122.43,96.27
GND on Top, Bottom, In1.Cu: -0.89,96.27 -0.89,12.7 24.26,12.7 37.08,-1.02 122.43,-1.02 122.43,96.27

## Text on the board
B.Silkscreen: オロ オペレーティング システム | ORO OPERATING SYSTEM / x86 link board / v3.2023.04.05 oro.sh
User.Comments: F.Silkscreen | F.Paste | F.Mask | F.Cu | Dielectric | In1.Cu | In2.Cu | B.Cu | B.Mask | B.Paste | B.Silkscreen | Top Silk Screen | Top Solder Paste | Top Solder Mask | copper | prepreg | core | Bottom Solder Mask | Bottom Solder Paste | Bottom Silk Screen | Not specified | FR4 | 0 mm | 0.01 mm | 0.035 mm | 0.2104 mm | 0.0152 mm | 1.065 mm | 1 | 3.3 | 4.5 | 0 | 0.02 | Copper Layer Count: | Board overall dimensions: | Min track/spacing: | Copper Finish: | Castellated pads: | Edge card connectors: | 4 | 121.9200 mm x 96.0120 mm | 0.0900 mm / 0.0900 mm | ENIG | No | Board Thickness: | Min hole diameter: | Impedance Control: | Plated Board Edge: | 1.6062 mm | 0.1500 mm | Yes | Layer Name | Type | Material | Thickness (mm) | Color | Epsilon R | Loss Tangent | BOARD CHARACTERISTICS
F.Silkscreen: オロ オペレーティング システム | OLED | ORO OPERATING SYSTEM / x86 link board / v3.2023.04.05 oro.sh
